# Altium PCB Enigma Rev B.PcbDoc (part 6 of 8)
Units mm, origin at the board's own origin, x right, y up, seen from the top; angles counter-clockwise.
Board outline 239.08 x 138 mm, 6 copper layers (Component Side, Ground Plane (GND), Inner Layer 1, Inner Layer 2, Power Plane (VCC), Solder Side), stack 1.297 mm thick; 556 components, 648 nets, 2393 pads, 1101 vias.
Unrouted connection lines stored in the file: 43.
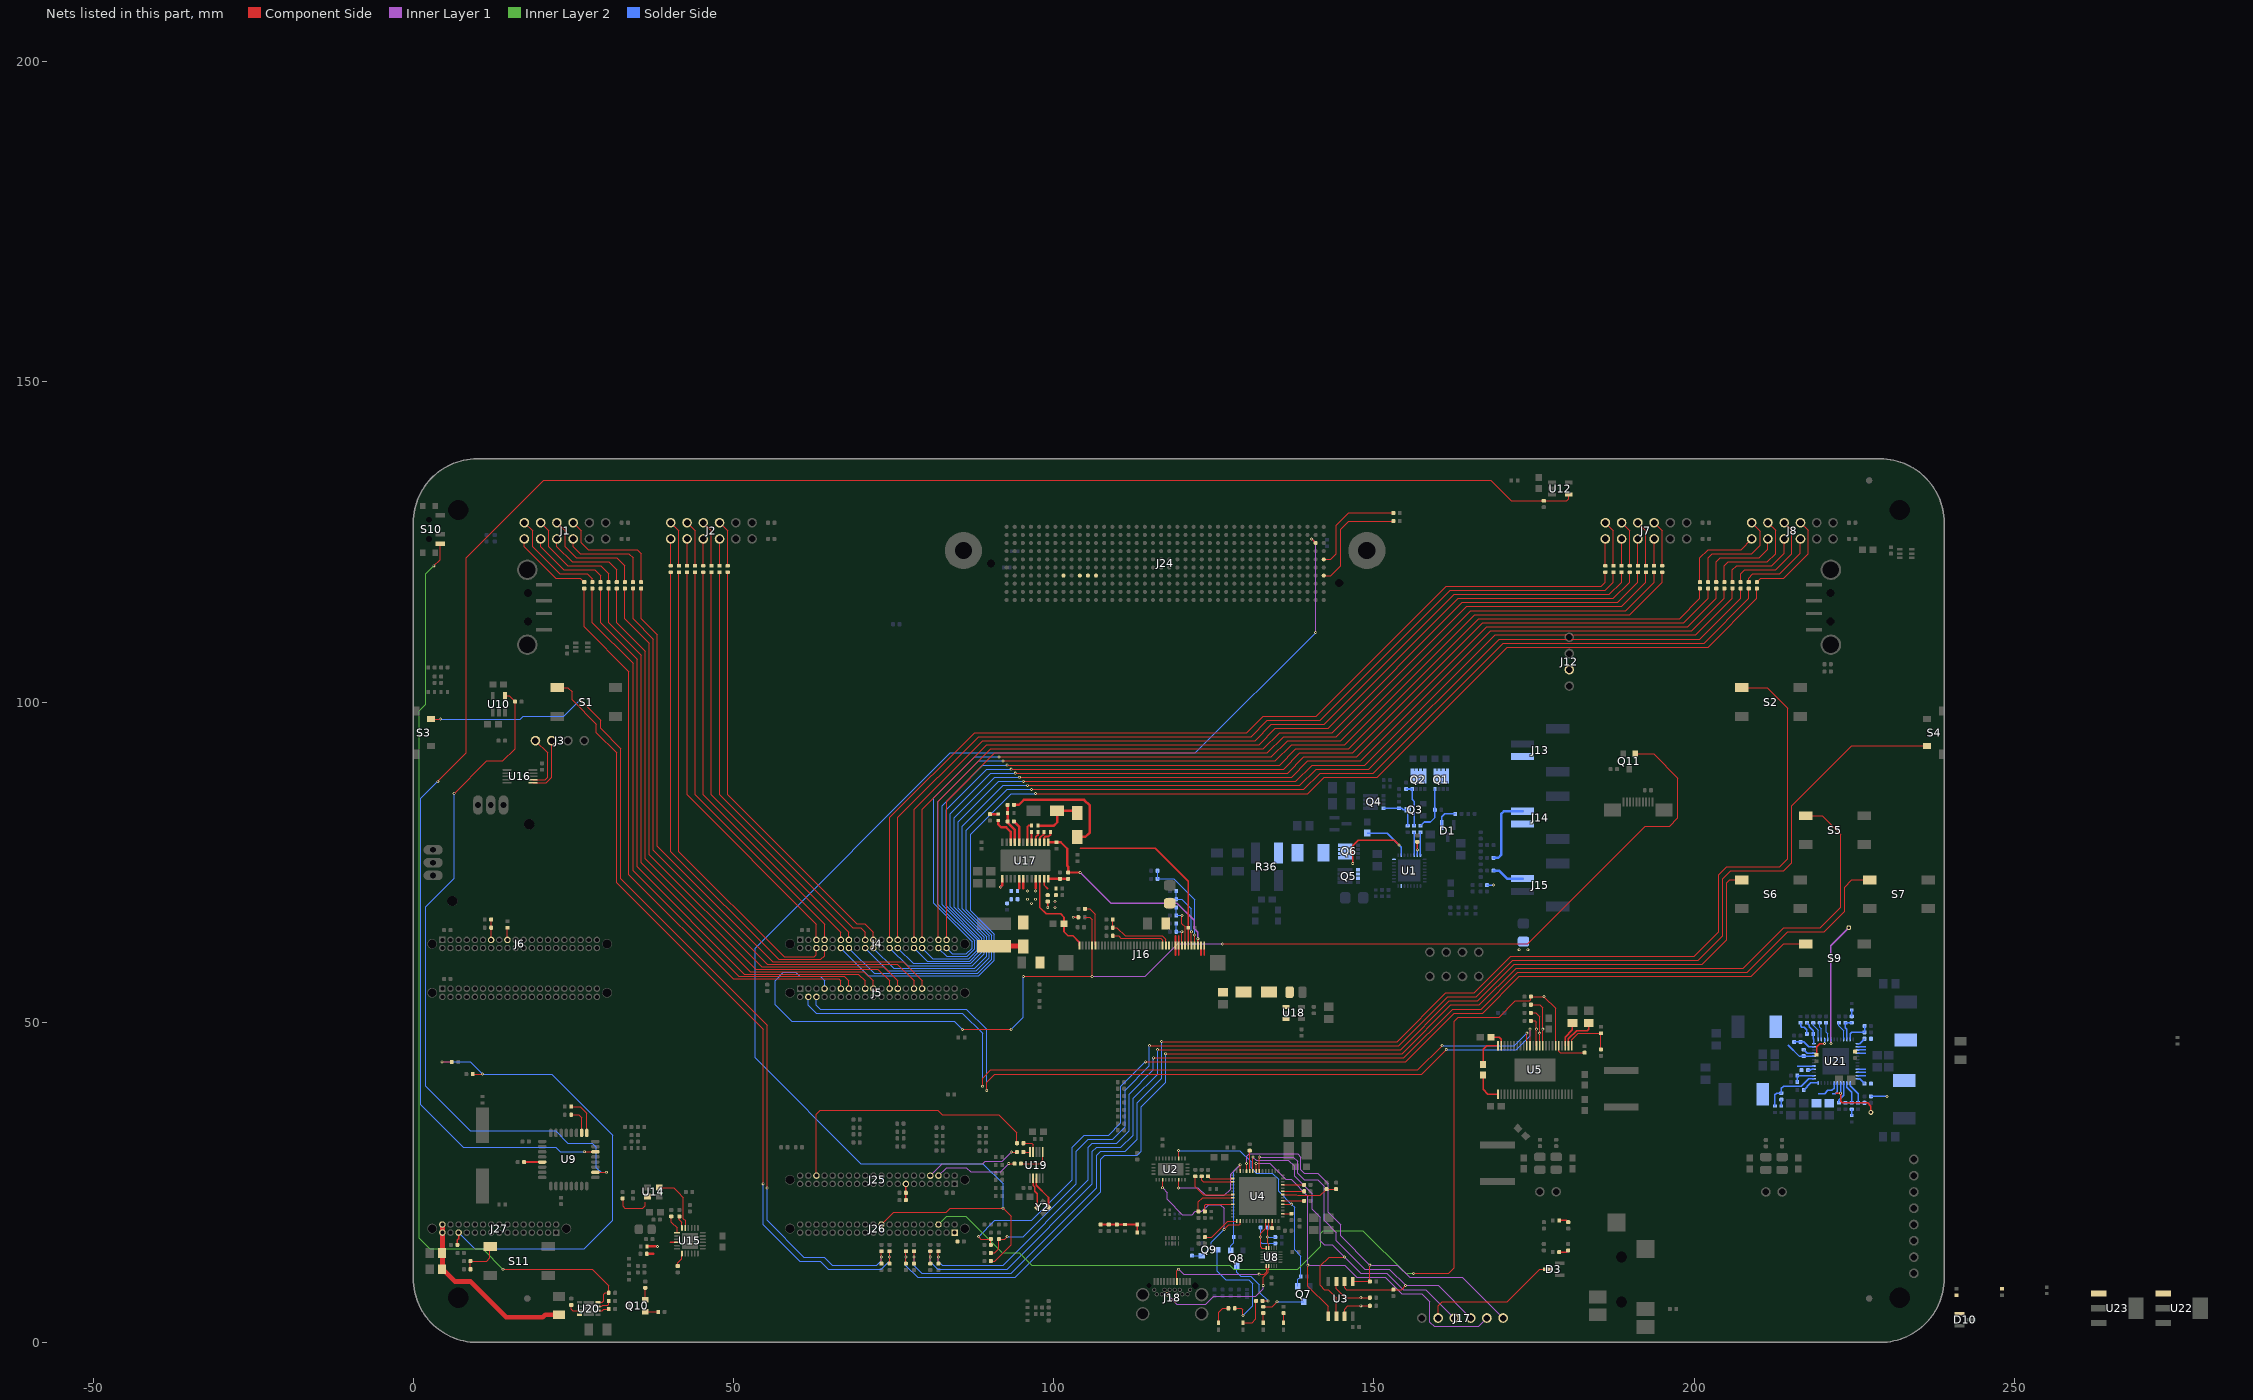
[diagram p10: the nets of this part, all layers, seen from the top]

## Via types
v1: diameter 0.457, hole 0.203, Component Side to Solder Side, tented top, 1031 vias
v2: diameter 0.5, hole 0.2, Component Side to Solder Side, 55 vias
v3: diameter 0.457, hole 0.203, Component Side to Solder Side, 9 vias
v4: diameter 0.5, hole 0.2, Component Side to Solder Side, tented both sides, 6 vias

## Nets (pads, with @x,y where several pads share a name; then routed paths per layer and width w, separated by ;. In a path a pad name is that pad's centre, name@x,y a point inside that pad or via, vN(x,y) a via of type N, cw(c..) or ccw(c..) an arc to the next point about the centre after c; other vN are vias at no path point) (continued)
NetC95_2: C95.2 U5.2 | length 5.8
  Component Side w0.203: U5.2@180.383,46.32 180.383,47.421 181.638,48.676 183.289,48.676 183.543,48.93 C95.2@183.543,49.885
NetC96_1: C96.1 U5.3 | length 4
  Component Side w0.203: U5.3@179.883,46.32 179.883,47.683 181.003,48.803 C96.1@181.003,49.885
NetC97_1: C97.1 U5.24 | length 4.9
  Component Side w0.203: C97.1@167.033,43.43 167.033,45.755 167.598,46.32 U5.24@169.383,46.32
NetC97_2: C97.2 U5.25 | length 4.9
  Component Side w0.203: C97.2@167.033,41.73 167.033,39.532 167.795,38.77 U5.25@169.383,38.77
NetC98_1: C98.1 R108.1 | length 1.5
  Component Side w0.203: R108.1@178.927,14.103 180.062,14.103 C98.1@180.332,14.373
NetC99_2: C99.2 U5.23 | length 2.7
  Component Side w0.203: C99.2@168.303,47.66 169.573,47.66 169.883,47.35 U5.23@169.883,46.32
NetC102_1: C102.1 R111.1 | length 1.5
  Component Side w0.203: R111.1@178.935,19.05 180.07,19.05 C102.1@180.34,18.78
NetC115_2: C115.2 C116.2 U15.4 | length 3.5
  Component Side w0.254: 40.144,15.625 U15.4@41.18,15.625
  Component Side w0.381: C115.2@36.441,13.843 37.465,13.843 ; C116.2@36.48,14.986 v1@37.877,14.986
  other v1: 38.1,14.986
NetC117_1: C117.1 R150.2 R152.1 U17.1 | length 1.4
  Component Side w0.381: v1(91.694,71.12) 91.985,71.411 U17.1@91.985,72.405
NetC123_1: C123.1 U17.16 | length 1.8
  Component Side w0.305: U17.16@97.185,78.105 97.185,78.95 97.535,79.3 C123.1@97.535,79.73
NetC123_2: C123.2 U17.17 | length 1.6
  Component Side w0.305: U17.17@96.535,78.105 C123.2@96.535,79.73
NetC125_1: C125.1 U17.14 | length 2.3
  Component Side w0.305: U17.14@98.485,78.105 98.485,78.82 98.68,79.015 99.2,79.015 99.485,79.3 C125.1@99.485,79.73
NetC125_2: C125.2 U17.15 | length 1.9
  Component Side w0.305: U17.15@97.835,78.105 97.835,78.82 98.485,79.47 C125.2@98.485,79.73
NetC126_1: C126.1 R159.1 | length 1.3
  Component Side w0.381: R159.1@90.035,82.505 C126.1@91.335,82.505
NetC126_2: C126.2 U17.22 | length 4.7
  Component Side w0.381: C126.2@91.335,81.505 91.335,80.9 91.79,80.445 92.57,80.445 93.285,79.73 U17.22@93.285,78.105
NetC127_1: C127.1 U17.18 | length 8.4
  Component Side w0.381: C127.1@97.535,80.705 100.009,80.705 100.533,81.229 100.533,83.058 103.282,83.058 103.685,82.655
NetC127_2: C127.2 D6.1 D7.2 | length 3.1
  Component Side w0.305: 95.885,78.105 95.885,80.51 96.08,80.705 C127.2@96.535,80.705
NetC129_2: C129.2 R164.2 U17.20 | length 3.6
  Component Side w0.381: R164.2@93.785,81.355 94.585,80.555 U17.20@94.585,78.105
NetC134_2: C134.2 R161.2 R169.1 U17.11 | length 1.8
  Component Side w0.254: U17.11@98.485,72.405 98.485,71.441 99.06,70.866
NetC145_1: C145.1 L9.2 U21.2 U21.3 U21.4 | length 3.8
  Solder Side w0.203: U21.4@225.52,45.169 226.783,45.169 ; U21.3@225.52,45.669 226.783,45.669 ; U21.2@225.52,46.169 226.783,46.169
NetC145_2: C145.2 U21.1 | length 1.4
  Solder Side w0.203: U21.1@225.52,46.669 225.87,46.669 C145.2@226.62,47.419
NetC148_2: C148.2 R186.2 | length 1
  Solder Side w0.203: R186.2@224.62,50.919 C148.2@224.62,51.919
NetC149_2: C149.2 R186.1 U21.46 | length 3.7
  Solder Side w0.203: U21.46@223.87,47.319 223.87,48.919 223.62,49.169 C149.2@223.62,49.919 R186.1@224.62,49.919
NetC150_2: C150.2 U21.45 | length 2.9
  Solder Side w0.127: C150.2@222.62,49.919 222.62,49.419 223.37,48.669 U21.45@223.37,47.319
NetC151_1: C151.1 L10.2 U21.9 U21.10 U21.11 | length 3.8
  Solder Side w0.203: U21.11@225.52,41.669 226.783,41.669 ; U21.10@225.52,42.169 226.783,42.169 ; U21.9@225.52,42.669 226.783,42.669
NetC151_2: C151.2 U21.12 | length 1.4
  Solder Side w0.203: U21.12@225.52,41.169 225.87,41.169 C151.2@226.62,40.419
NetC154_2: C154.2 R190.1 | length 1
  Solder Side w0.203: C154.2@224.62,35.419 R190.1@224.62,36.419
NetC155_2: C155.2 R190.2 U21.15 | length 4.4
  Solder Side w0.203: C155.2@223.62,37.419 R190.2@224.62,37.419 224.62,39.069 223.87,39.819 U21.15@223.87,40.519
NetC156_2: C156.2 U21.16 | length 3.4
  Solder Side w0.203: C156.2@222.62,37.419 222.62,37.843 223.37,38.593 U21.16@223.37,40.519
NetC157_1: C157.1 L11.2 U21.29 | length 2.6
  Solder Side w0.203: 216.12,43.169 U21.29@218.72,43.169
NetC157_2: C157.2 U21.28 | length 1
  Solder Side w0.203: C157.2@217.77,42.519 218.17,42.519 218.32,42.669 U21.28@218.72,42.669
NetC160_2: C160.2 R194.1 | length 1
  Solder Side w0.203: C160.2@213.62,36.919 R194.1@213.62,37.919
NetC161_2: C161.2 R194.2 U21.25 | length 9.3
  Solder Side w0.203: C161.2@212.62,36.919 212.62,38.669 212.87,38.919 R194.2@213.62,38.919 213.62,39.669 213.97,40.019 216.72,40.019 217.87,41.169 U21.25@218.72,41.169
NetC162_2: C162.2 U21.24 | length 2.7
  Solder Side w0.203: C162.2@217.12,39.419 218.22,40.519 U21.24@219.37,40.519
NetC163_1: C163.1 L12.2 U21.32 | length 4.7
  Solder Side w0.254: 214.707,46.432 216.47,44.669 U21.32@218.72,44.669
NetC163_2: C163.2 U21.33 | length 1.8
  Solder Side w0.203: C163.2@217.12,45.719 217.67,45.169 U21.33@218.72,45.169
NetC166_2: C166.2 R198.1 | length 2.4
  Solder Side w0.203: C166.2@216.62,49.919 216.62,49.419 216.82,49.219 217.22,49.219 217.62,48.819 R198.1@217.62,48.169
NetC167_2: C167.2 R198.2 U21.36 | length 3.7
  Solder Side w0.203: C167.2@217.62,49.919 217.97,49.569 217.97,49.319 218.62,48.669 R198.2@218.62,48.169 218.62,47.419 218.72,47.319 U21.36@218.72,46.669
NetC168_2: C168.2 U21.37 | length 2.9
  Solder Side w0.127: C168.2@218.62,49.919 218.62,49.519 219.37,48.769 U21.37@219.37,47.319
NetC172_2: C172.2 U21.18 | length 2.3
  Solder Side w0.203: 221.57,38.819 222.07,38.819 222.37,39.119 U21.18@222.37,40.519
NetC173_2: C173.2 U21.19 | length 3.6
  Solder Side w0.203: 219.42,38.869 220.37,38.869 220.87,39.369 221.52,39.369 221.87,39.719 U21.19@221.87,40.519
NetC195_2: C195.2 C196.2 R223.2 R224.2 R225.1 R226.1 | length 7
  Component Side w0.254: R223.2@107.315,18.415 R225.1@108.585,18.415 C196.2@109.855,18.415 C195.2@111.125,18.415 R224.2@113.03,18.415 R226.1@113.03,17.145
NetD1_1: D1.1 R20.2 | length 3.6
  Solder Side w0.254: D1.1@160.594,80.808 160.594,82.108 161.036,82.55 R20.2@162.695,82.55
NetD3_3: D3.3 J17.2 | length 21.4
  Component Side w0.127: J17.2@160.02,3.81 160.02,5.715 160.655,6.35 170.815,6.35 175.895,11.43 D3.3@177.165,11.43
NetD5_2: D5.2 L7.2 U17.5 U17.6 | length 4.9
  Component Side w0.762: L7.2@90.17,61.905 D5.2@95.042,61.905
NetD8_1: D8.1 L8.2 U18.1
NetD10_1: D10.1 J12.2
NetJ1_1: J1.1 R118.2 | length 12.8
  Component Side w0.127: J1.1@17.32,125.476 17.32,124.285 22.225,119.38 26.035,119.38 R118.2@26.67,118.745
NetJ1_2: J1.2 R120.2 | length 13.4
  Component Side w0.127: J1.2@19.86,125.476 19.86,124.285 23.495,120.65 28.321,120.65 29.21,119.761 R120.2@29.21,118.745
NetJ1_3: J1.3 R122.2 | length 14
  Component Side w0.127: J1.3@22.4,125.476 22.4,124.285 24.765,121.92 30.48,121.92 31.75,120.65 R122.2@31.75,118.745
NetJ1_4: J1.4 R124.2 | length 15.1
  Component Side w0.127: J1.4@24.94,125.476 24.94,124.285 26.035,123.19 33.655,123.19 34.29,122.555 R124.2@34.29,118.745
NetJ1_7: J1.7 R119.1 | length 16.2
  Component Side w0.127: J1.7@17.32,128.016 18.59,126.746 18.59,124.285 22.86,120.015 27.178,120.015 27.94,119.253 R119.1@27.94,118.745
NetJ1_8: J1.8 R121.1 | length 16.6
  Component Side w0.127: J1.8@19.86,128.016 21.13,126.746 21.13,124.285 24.13,121.285 29.21,121.285 30.48,120.015 R121.1@30.48,118.745
NetJ1_9: J1.9 R123.1 | length 17.4
  Component Side w0.127: J1.9@22.4,128.016 23.67,126.746 23.67,124.285 25.4,122.555 31.75,122.555 33.02,121.285 R123.1@33.02,118.745
NetJ1_10: J1.10 R125.1 | length 18.1
  Component Side w0.127: J1.10@24.94,128.016 26.21,126.746 26.21,124.92 27.305,123.825 34.925,123.825 35.56,123.19 R125.1@35.56,118.745
NetJ2_1: J2.1 R134.2 | length 4.2
  Component Side w0.127: R134.2@40.18,121.285 J2.1@40.18,125.476
NetJ2_2: J2.2 R136.2 | length 4.2
  Component Side w0.127: R136.2@42.72,121.285 J2.2@42.72,125.476
NetJ2_3: J2.3 R138.2 | length 4.2
  Component Side w0.127: R138.2@45.26,121.285 J2.3@45.26,125.476
NetJ2_4: J2.4 R140.2 | length 4.2
  Component Side w0.127: R140.2@47.8,121.285 J2.4@47.8,125.476
NetJ2_7: J2.7 R135.1 | length 7.3
  Component Side w0.127: J2.7@40.18,128.016 41.45,126.746 R135.1@41.45,121.285
NetJ2_8: J2.8 R137.1 | length 7.3
  Component Side w0.127: J2.8@42.72,128.016 43.99,126.746 R137.1@43.99,121.285
NetJ2_9: J2.9 R139.1 | length 7.3
  Component Side w0.127: J2.9@45.26,128.016 46.53,126.746 R139.1@46.53,121.285
NetJ2_10: J2.10 R141.1 | length 7.3
  Component Side w0.127: J2.10@47.8,128.016 49.07,126.746 R141.1@49.07,121.285
NetJ3_3: J3.3 U16.6 | length 9
  Component Side w0.127: U16.6@18.655,87.4 20.725,87.4 21.59,88.265 J3.3@21.59,93.98
NetJ3_4: J3.4 U16.7 | length 9
  Component Side w0.127: U16.7@18.655,87.9 20.59,87.9 20.955,88.265 20.955,92.075 J3.4@19.05,93.98
NetJ6_13: J6.13 R212.2 R213.2 | length 3.2
  Component Side w0.127: J6.13@12.131,62.865 R213.2@12.131,64.77 R212.2@12.131,66.04
NetJ6_17: J6.17 R214.1 | length 1.9
  Component Side w0.127: J6.17@14.671,62.865 R214.1@14.671,64.77
NetJ7_1: J7.1 R126.2 | length 4.2
  Component Side w0.127: R126.2@186.137,121.285 J7.1@186.137,125.476
NetJ7_2: J7.2 R128.2 | length 4.2
  Component Side w0.127: R128.2@188.677,121.285 J7.2@188.677,125.476
NetJ7_3: J7.3 R130.2 | length 4.2
  Component Side w0.127: R130.2@191.217,121.285 J7.3@191.217,125.476
NetJ7_4: J7.4 R132.2 | length 4.2
  Component Side w0.127: R132.2@193.757,121.285 J7.4@193.757,125.476
NetJ7_7: J7.7 R127.1 | length 7.3
  Component Side w0.127: J7.7@186.137,128.016 187.407,126.746 R127.1@187.407,121.285
NetJ7_8: J7.8 R129.1 | length 7.3
  Component Side w0.127: J7.8@188.677,128.016 189.947,126.746 R129.1@189.947,121.285
NetJ7_9: J7.9 R131.1 | length 7.3
  Component Side w0.127: J7.9@191.217,128.016 192.487,126.746 R131.1@192.487,121.285
NetJ7_10: J7.10 R133.1 | length 7.3
  Component Side w0.127: J7.10@193.757,128.016 195.027,126.746 R133.1@195.027,121.285
NetJ8_1: J8.1 R142.2 | length 13.1
  Component Side w0.127: R142.2@200.917,118.745 200.917,122.555 202.187,123.825 207.346,123.825 J8.1@208.997,125.476
NetJ8_2: J8.2 R144.2 | length 13.6
  Component Side w0.127: R144.2@203.457,118.745 203.457,121.92 204.092,122.555 210.185,122.555 211.537,123.907 J8.2@211.537,125.476
NetJ8_3: J8.3 R146.2 | length 13.3
  Component Side w0.127: R146.2@205.997,118.745 205.997,120.65 206.632,121.285 212.09,121.285 214.077,123.272 J8.3@214.077,125.476
NetJ8_4: J8.4 R148.2 | length 12.5
  Component Side w0.127: R148.2@208.537,118.745 208.537,119.38 209.172,120.015 213.36,120.015 216.617,123.272 J8.4@216.617,125.476
NetJ8_7: J8.7 R143.1 | length 16.8
  Component Side w0.127: R143.1@202.187,118.745 202.187,122.555 202.822,123.19 209.042,123.19 210.312,124.46 210.312,126.701 J8.7@208.997,128.016
NetJ8_8: J8.8 R145.1 | length 16.6
  Component Side w0.127: R145.1@204.727,118.745 204.727,121.285 205.362,121.92 211.455,121.92 212.725,123.19 212.725,126.828 J8.8@211.537,128.016
NetJ8_9: J8.9 R147.1 | length 15.9
  Component Side w0.127: R147.1@207.267,118.745 207.267,120.015 207.902,120.65 212.725,120.65 215.265,123.19 215.265,126.828 J8.9@214.077,128.016
NetJ8_10: J8.10 R149.1 | length 15.2
  Component Side w0.127: R149.1@209.807,118.745 210.442,119.38 213.995,119.38 217.805,123.19 217.805,126.828 J8.10@216.617,128.016
NetJ13_2: J13.2 J14.1 R29.1 | length 11.3
  Solder Side w0.381: R29.1@168.676,75.679 169.405,75.679 169.855,76.129 169.855,82.504 170.303,82.952 J14.1@173.209,82.952
NetJ14_2: J14.2 J15.1 R31.1 | length 5.1
  Solder Side w0.381: R31.1@168.676,73.679 169.526,73.679 170.776,72.429 J15.1@173.209,72.429
NetJ16_27: J16.27 R157.2 | length 8.9
  Component Side w0.127: R157.2@109.22,63.5 110.109,63.5 110.49,63.119 116.713,63.119 117,62.832 J16.27@117,61.99
NetJ16_28: J16.28 R158.1 R174.2 | length 11.3
  Component Side w0.127: R158.1@109.22,66.04 R174.2@109.22,64.77 109.855,64.77 111.125,63.5 116.967,63.5 117.5,62.967 J16.28@117.5,61.99
NetJ16_36: J16.36 R165.2 R171.2 | length 10
  Component Side w0.127: J16.36@121.5,61.99 v1(121.5,64.135)
  Solder Side w0.127: R171.2@119.126,70.485 R165.2@119.126,69.215 120.015,69.215 121.5,67.73 v1(121.5,64.135)
NetJ16_37: J16.37 R166.2 R170.2 | length 15.6
  Component Side w0.127: J16.37@122,61.99 v1(122,63.627)
  Solder Side w0.127: R170.2@116.205,73.66 R166.2@116.205,72.39 118.745,72.39 122,69.135 v1(122,63.627)
NetJ25_13: J25.13 R217.1 R218.2 | length 2.5
  Component Side w0.254: R217.1@76.901,22.225 R218.2@76.901,23.368 J25.13@76.901,24.765
NetL1_1: L1.1 R36.2
NetLED1_2: LED1.2 R56.1 | length 1.5
  Component Side w0.127: LED1.2@132.715,3.09 R56.1@132.715,4.572
NetLED2_2: LED2.2 R57.1 | length 5.1
  Component Side w0.127: LED2.2@129.54,3.09 130.979,3.09 131.572,3.683 R57.1@131.572,6.477
NetLED3_2: LED3.2 R58.1 | length 3.4
  Component Side w0.127: LED3.2@125.73,3.09 125.73,4.699 126.365,5.334 R58.1@127.262,5.334
NetLED4_2: LED4.2 R74.1 | length 1.5
  Component Side w0.127: LED4.2@135.89,3.09 R74.1@135.89,4.58
NetQ1_4: Q1.4 R18.2 R22.1 | length 7.2
  Solder Side w0.254: R22.1@157.271,80.679 157.872,81.28 158.822,81.28 159.521,81.979 R18.2@159.521,83.179 Q1.4@159.521,86.429
NetQ1_5: Q1.5 Q1.6 Q1.7 Q1.8 Q1.TAB Q2.5 Q2.6 Q2.7 Q2.8 Q2.TAB
NetQ2_4: Q2.4 R19.2 R23.1 | length 6.8
  Solder Side w0.254: R19.2@155.021,86.429 Q2.4@155.971,86.429 155.971,84.829 156.271,84.529 R23.1@156.271,80.679
NetQ3_3: Q3.3 Q4.4 R26.2 R30.2 | length 6.4
  Solder Side w0.254: Q4.4@151.511,83.429 154.321,83.429 154.571,83.179 Q3.3@155.271,83.179 R30.2@155.271,80.679
NetQ7_3: Q7.3 R56.2 | length 6.7
  Component Side w0.127: R56.2@132.715,5.58 134.104,5.58 v1(134.874,6.35)
  Solder Side w0.127: v1(134.874,6.35) Q7.3@139.065,6.35
NetQ8_3: Q8.3 R57.2 | length 9.3
  Component Side w0.127: R57.2@132.588,6.477 v1(133.477,6.477)
  Solder Side w0.127: Q8.3@128.6,11.95 128.6,10.95 129.2,10.35 130.747,10.35 132.08,9.017 132.08,7.874 v1(133.477,6.477)
NetQ9_3: Q9.3 R58.2 | length 17.6
  Component Side w0.127: R58.2@128.262,5.334 129.286,5.334 129.54,5.08 v1(129.54,4.191)
  Solder Side w0.127: Q9.3@125.5,14.5 125.5,11.152 126.873,9.779 130.429,9.779 131.064,9.144 131.064,5.715 v1(129.54,4.191)
NetQ10_1: Q10.1 R76.1 | length 2
  Component Side w0.127: Q10.1@36.182,4.765 R76.1@38.227,4.765
NetQ10_2: Q10.2 R78.1 | length 1.8
  Component Side w0.127: Q10.2@36.195,6.678 R78.1@36.195,8.525
NetR2_2: R2.2 R4.2 S1.1 | length 123.8
  Component Side w0.127: S1.1@22.45,102.25 24.115,102.25 24.765,101.6 24.765,100.33 28.575,96.52 28.575,95.25 31.75,92.075 31.75,71.755 54.61,48.895 v1(54.61,24.765) ; R2.2@74.361,12.303 v1(74.361,13.335) R4.2@74.361,14.24
  Solder Side w0.127: v1(54.61,24.765) 54.61,18.415 60.325,12.7 63.5,12.7 64.77,11.43 73.025,11.43 74.361,12.766 v1(74.361,13.335)
NetR3_2: R3.2 R5.2 S2.1 | length 213.9
  Component Side w0.127: R3.2@78.171,12.303 v1(78.171,13.335) R5.2@78.171,14.24 ; v1(116.84,46.99) 153.625,46.99 161.245,54.61 165.69,54.61 171.405,60.325 200.025,60.325 203.835,64.135 203.835,73.025 205.105,74.295 213.36,74.295 214.63,75.565 214.63,99.06 211.44,102.25 S2.1@207.45,102.25
  Solder Side w0.127: v1(78.171,13.335) 78.171,11.999 79.375,10.795 93.345,10.795 106.68,24.13 106.68,29.21 107.315,29.845 111.125,29.845 113.03,31.75 113.03,37.465 116.84,41.275 v1(116.84,46.99)
NetR6_2: R6.2 R8.2 S3.1 | length 141.4
  Component Side w0.127: S3.1@2.765,97.35 v1(4.2,97.35) ; v1(26.035,100.33) 29.21,97.155 29.21,95.885 32.385,92.71 32.385,72.39 55.245,49.53 v1(55.245,24.13) ; R6.2@73.091,12.303 v1(73.091,13.335) R8.2@73.091,14.24
  Solder Side w0.127: v1(4.2,97.35) 16.705,97.35 17.145,97.79 23.495,97.79 v1(26.035,100.33) ; v1(55.245,24.13) 55.245,19.05 60.96,13.335 64.135,13.335 65.405,12.065 72.39,12.065 73.091,12.766 v1(73.091,13.335)
NetR7_2: R7.2 R9.2 S4.1 | length 198.5
  Component Side w0.127: R7.2@90.17,13.97 90.805,13.97 91.44,14.605 R9.2@91.44,16.145 92.345,16.145 v1(92.71,16.51) ; v1(114.935,46.355) 153.888,46.355 161.508,53.975 165.953,53.975 171.668,59.69 200.66,59.69 204.47,63.5 204.47,72.39 205.74,73.66 213.995,73.66 215.265,74.93 215.265,83.82 224.595,93.15 S4.1@236.376,93.15
  Solder Side w0.127: v1(92.71,16.51) 95.25,16.51 103.505,24.765 103.505,29.845 105.41,31.75 109.22,31.75 111.125,33.655 111.125,39.37 114.935,43.18 v1(114.935,46.355)
NetR10_2: R10.2 R11.2 S5.1 | length 201.7
  Component Side w0.127: R10.2@76.901,12.303 v1(76.901,13.335) R11.2@76.901,14.24 ; v1(117.475,45.085) 154.414,45.085 162.034,52.705 166.479,52.705 172.194,58.42 207.645,58.42 213.995,64.77 219.71,64.77 222.885,67.945 222.885,79.375 220.01,82.25 S5.1@217.45,82.25
  Solder Side w0.127: v1(76.901,13.335) 76.901,11.999 78.74,10.16 93.98,10.16 107.315,23.495 107.315,28.575 107.95,29.21 113.03,29.21 113.665,29.845 113.665,36.83 117.475,40.64 v1(117.475,45.085)
NetR12_2: R12.2 R14.2 S6.1 | length 168.8
  Component Side w0.127: R12.2@80.711,12.303 v1(80.711,13.335) R14.2@80.711,14.24 ; v1(116.205,45.72) 154.151,45.72 161.771,53.34 166.216,53.34 171.931,59.055 201.295,59.055 205.105,62.865 205.105,71.755 205.6,72.25 S6.1@207.45,72.25
  Solder Side w0.127: v1(80.711,13.335) 80.711,12.634 81.915,11.43 92.71,11.43 106.045,24.765 106.045,29.845 106.68,30.48 110.49,30.48 112.395,32.385 112.395,38.1 116.205,41.91 v1(116.205,45.72)
NetR13_2: R13.2 R15.2 S7.1 | length 182.9
  Component Side w0.127: R13.2@81.981,12.303 v1(81.981,13.335) R15.2@81.981,14.24 ; v1(115.57,44.45) 154.677,44.45 162.297,52.07 166.742,52.07 172.457,57.785 208.28,57.785 214.63,64.135 220.345,64.135 223.52,67.31 223.52,71.12 224.65,72.25 S7.1@227.45,72.25
  Solder Side w0.127: v1(81.981,13.335) 81.981,12.634 82.55,12.065 92.075,12.065 105.41,25.4 105.41,30.48 106.045,31.115 109.855,31.115 111.76,33.02 111.76,38.735 115.57,42.545 v1(115.57,44.45)
NetR16_2: R16.2 R17.2 S9.1 | length 157.4
  Component Side w0.127: v1(88.265,16.51) 88.63,16.145 R17.2@90.17,16.145 R16.2@90.17,15.24 ; v1(114.3,43.815) 154.94,43.815 162.56,51.435 167.005,51.435 172.72,57.15 208.915,57.15 214.015,62.25 S9.1@217.45,62.25
  Solder Side w0.127: v1(88.265,16.51) 90.805,19.05 96.52,19.05 102.87,25.4 102.87,30.48 104.775,32.385 108.585,32.385 110.49,34.29 110.49,40.005 v1(114.3,43.815)
NetR22_2: R22.2 U1.32 | length 3.6
  Solder Side w0.203: U1.32@157.271,76.079 R22.2@157.271,79.679
NetR23_2: R23.2 U1.30 | length 3.6
  Solder Side w0.203: U1.30@156.271,76.079 R23.2@156.271,79.679
NetR24_2: R24.2 U1.31 | length 2.1
  Component Side w0.203: v1(156.771,76.929) R24.2@156.771,78.179
  Solder Side w0.203: U1.31@156.771,76.079 v1(156.771,76.929)
NetR45_2: R45.2 U3.3 | length 6.9
  Component Side w0.127: U3.3@144.145,9.525 144.145,8.382 145.542,6.985 v1(147.955,6.985) R45.2@149.36,6.985
NetR46_2: R46.2 R68.2 S11.1 | length 6.2
  Component Side w0.127: R68.2@8.89,11.43 R46.2@8.89,12.7 11.43,12.7 11.938,13.208 S11.1@11.938,14.859
NetR47_2: R47.2 U3.7 | length 5.3
  Component Side w0.127: U3.7@145.415,4.075 145.415,5.207 145.923,5.715 v1(147.955,5.715) R47.2@149.36,5.715
NetR48_2: R48.2 U4.52 | length 5.4
  Component Side w0.127: R48.2@123.6,20.45 123.6,21.45 123.75,21.6 U4.52@127.95,21.6
NetR49_2: R49.2 U4.25 | length 3.3
  Component Side w0.127: U4.25@135.75,24.6 R49.2@139.1,24.6
NetR50_1: R50.1 U4.12 | length 1.1
  Component Side w0.127: R50.1@134.1,17.85 U4.12@134.1,18.95
NetR51_2: R51.2 U4.23 | length 3.3
  Component Side w0.127: U4.23@135.75,23.6 R51.2@139.1,23.6
NetR52_2: R52.2 U4.20 | length 3.3
  Component Side w0.127: U4.20@135.75,22.1 R52.2@139.1,22.1
NetR53_2: R53.2 U4.38 | length 3.2
  Component Side w0.127: U4.38@130.6,26.75 R53.2@130.6,29.95
NetR54_1: R54.1 U4.16 | length 1.3
  Component Side w0.127: U4.16@135.75,20.1 R54.1@137.1,20.1
NetR55_2: R55.2 U4.1 | length 6
  Component Side w0.127: R55.2@123.6,16.45 124.7,16.45 127.2,18.95 U4.1@128.6,18.95
NetR63_2: R63.2 U4.45 | length 5.6
  Component Side w0.127: R63.2@123.1,25.95 123.1,25.35 123.35,25.1 U4.45@127.95,25.1
NetR64_2: R64.2 U4.44 | length 4
  Component Side w0.127: R64.2@124.1,25.95 124.45,25.6 U4.44@127.95,25.6
NetR69_2: R69.2 U5.12 | length 4.6
  Component Side w0.127: R69.2@174.518,50.2 175.161,50.2 175.383,49.978 v1(175.383,48.93) U5.12@175.383,46.32
NetR87_2: R87.2 U9.17 | length 5.9
  Component Side w0.127: R87.2@24.638,36.83 26.035,36.83 27.057,35.808 U9.17@27.057,32.725
NetR88_2: R88.2 U9.18 | length 4.2
  Component Side w0.127: R88.2@24.638,35.56 25.781,35.56 26.257,35.084 U9.18@26.257,32.725
NetR95_2: R95.2 U9.29 | length 2.8
  Component Side w0.254: R95.2@17.272,28.175 U9.29@20.107,28.175
NetR101_2: R101.2 U5.11 | length 6.2
  Component Side w0.127: R101.2@174.518,51.47 175.288,51.47 175.883,50.875 v1(175.883,48.295) U5.11@175.883,46.32
NetR102_2: R102.2 U5.10 | length 8
  Component Side w0.127: R102.2@174.518,52.74 175.923,52.74 176.383,52.28 v1(176.383,48.93) U5.10@176.383,46.32
NetR107_2: R107.2 R109.1 U5.1 | length 8.5
  Component Side w0.127: U5.1@180.883,46.32 180.883,47.286 181.892,48.295 R109.1@185.448,48.295 R107.2@185.448,45.755
NetR112_2: R112.2 U15.1 | length 2.9
  Component Side w0.127: R112.2@40.259,19.693 40.259,18.796 41.18,17.875 U15.1@41.18,17.125
NetR113_1: R113.1 U15.7 | length 2.2
  Component Side w0.127: R113.1@41.275,11.938 41.275,12.446 41.93,13.101 U15.7@41.93,13.875
NetR114_1: R114.1 U15.24 | length 2
  Component Side w0.127: R114.1@41.529,19.685 41.529,19.177 41.93,18.776 U15.24@41.93,17.875
NetR115_1: R115.1 U14.1 | length 5.6
  Component Side w0.127: R115.1@32.647,22.487 32.647,21.328 33.02,20.955 35.814,20.955 36.235,21.376 36.235,21.93
NetR155_2: R155.2 R156.1 U17.12 | length 3.1
  Component Side w0.381: U17.12@99.15,72.39 R156.1@100.965,72.39 R155.2@102.235,72.39
NetR160_2: R160.2 R164.1 U17.21 | length 6.3
  Component Side w0.381: R160.2@92.785,83.955 92.785,81.205 93.935,80.055 U17.21@93.935,78.105
NetR177_1: R177.1 U19.10 | length 1
  Component Side w0.127: R177.1@95.25,29.736 U19.10@96.282,29.736
NetR178_1: R178.1 U19.9 | length 2.8
  Component Side w0.127: R178.1@95.25,31.115 96.52,31.115 96.782,30.853 U19.9@96.782,29.736
NetR179_1: R179.1 U19.6 | length 4.9
  Component Side w0.127: R179.1@94.869,27.94 97.79,27.94 98.282,28.432 U19.6@98.282,29.736
NetR182_2: R182.2 U20.2 | length 1.7
  Component Side w0.127: U20.2@28.838,4.968 29.479,4.968 29.718,5.207 R182.2@30.488,5.207
NetR183_2: R183.2 U20.7 | length 2
  Component Side w0.127: R183.2@24.638,5.842 24.638,5.207 24.877,4.968 U20.7@25.908,4.968
NetR184_1: R184.1 U20.3 | length 2.3
  Component Side w0.127: U20.3@28.838,5.618 29.367,5.618 29.591,5.842 30.353,5.842 30.488,5.977 R184.1@30.488,6.477
NetR185_2: R185.2 R189.1 U22.1 | length 2.5
  Solder Side w0.203: R189.1@227.62,38.419 v1(230.12,38.419)
NetR187_2: R187.2 R188.1 U21.47 | length 4.2
  Solder Side w0.203: U21.47@224.37,47.319 224.37,48.169 224.62,48.419 R188.1@226.62,48.419 R187.2@226.62,49.419
NetR191_2: R191.2 R192.1 U21.14 | length 4.6
  Solder Side w0.203: U21.14@224.37,40.519 224.37,40.069 225.62,38.819 R192.1@225.62,37.419 R191.2@226.62,37.419
NetR193_2: R193.2 R197.1 U23.1
NetR195_2: R195.2 R196.1 U21.26 | length 3.6
  Solder Side w0.203: R196.1@216.12,40.669 R195.2@216.12,41.669 U21.26@218.72,41.669
NetR199_2: R199.2 R200.1 U21.35 | length 3.4
  Solder Side w0.203: R199.2@215.62,46.919 R200.1@216.62,46.919 217.12,46.919 217.87,46.169 U21.35@218.72,46.169
NetR202_1: R202.1 U21.40 | length 2.7
  Solder Side w0.127: R202.1@220.62,49.919 220.62,48.419 220.87,48.169 U21.40@220.87,47.319
NetR203_2: R203.2 U21.39 | length 3.4
  Component Side w0.203: R203.2@219.12,44.919 219.12,46.169 219.62,46.669 v1(220.37,46.669)
  Solder Side w0.203: v1(220.37,46.669) U21.39@220.37,47.319
NetR204_2: R204.2 U21.38 | length 2.7
  Solder Side w0.127: R204.2@219.62,49.919 219.62,49.219 219.87,48.969 U21.38@219.87,47.319
NetR221_1: R221.1 R222.1 U4.22 | length 8.8
  Component Side w0.127: U4.22@135.75,23.1 137.95,23.1 138.1,22.95 141.6,22.95 R222.1@142.6,23.95 R221.1@144.1,23.95
NetT1_1: T1.1 U21.17 | length 9.7
  Component Side w0.203: 222.12,38.919 v1(222.87,38.919) 222.87,37.669 223.12,37.419 227.12,37.419 227.62,36.919 T1.1@227.62,35.919
  Solder Side w0.203: v1(222.87,38.919) U21.17@222.87,40.519
NetT2_1: T2.1 U21.41 | length 19.9
  Inner Layer 1 w0.203: v1(221.37,46.669) 221.37,61.985 T2.1@224.155,64.77
  Solder Side w0.203: v1(221.37,46.669) U21.41@221.37,47.319
NetU14_3: U14.3 U15.23 | length 8.9
  Component Side w0.127: U14.3@38.735,24.13 40.64,24.13 41.275,23.495 42.164,22.606 42.164,19.304 42.418,19.05 U15.23@42.418,17.887
NetU19_2: U19.2 Y2.1 | length 4.5
  Component Side w0.254: U19.2@96.782,25.636 96.782,24.51 96.82,24.472 96.82,24.465 97.028,24.257 97.028,23.622 97.409,23.241 Y2.1@97.409,21.376
NetU19_3: U19.3 Y2.3 | length 5.1
  Component Side w0.254: U19.3@97.282,25.636 97.282,24.542 99.182,22.642 Y2.3@99.182,21.301
OC_0_N: R97.1 U9.10 U10.4 | length 106.7
  Component Side w0.127: v1(6.35,85.725) 11.43,90.805 13.97,90.805 15.875,92.71 R97.1@15.875,100.076 14.946,101.005 U10.4@14.285,101.005 ; U9.10@28.407,26.575 v1(30.125,26.575)
  Solder Side w0.127: v1(6.35,85.725) 6.35,72.517 1.905,68.072 1.905,40.005 8.89,33.02 22.225,33.02 24.13,31.115 27.94,31.115 28.575,30.48 28.575,27.305 29.305,26.575 v1(30.125,26.575)
OC_1_N: R99.1 U9.14 U12.4 | length 297.9
  Component Side w0.127: v1(3.81,87.63) 8.255,92.075 8.255,122.555 20.32,134.62 168.275,134.62 171.45,131.445 R99.1@176.53,131.445 180.086,131.445 180.42,131.779 U12.4@180.42,132.4 ; v1(26.689,29.775) U9.14@28.407,29.775
  Solder Side w0.127: v1(3.81,87.63) 1.143,84.963 1.143,37.084 7.747,30.48 22.225,30.48 22.93,29.775 v1(26.689,29.775)
PG_C2M: J24.D1 R117.2 | length 17.7
  Component Side w0.127: J24.D1@142.161,119.761 143.256,119.761 144.78,121.285 144.78,127 146.05,128.27 R117.2@153.035,128.27
PG_M2C: J24.F1 R116.2 | length 16.5
  Component Side w0.127: J24.F1@142.161,122.301 143.256,122.301 144.145,123.19 144.145,127.635 146.05,129.54 R116.2@153.035,129.54
PGND: R34.2 R35.2 U1.24 | length 1
  Solder Side w0.203: R35.2@167.656,71.429 v1(168.66,71.429)
  other v1: 172.68,61.33 174.03,61.33
PH: C25.1 L1.2 Q5.1 Q5.2 Q5.3 Q6.5 Q6.6 Q6.7 Q6.8 Q6.TAB U1.26 | length 18.2
  Component Side w0.203: v1(146.685,74.803) 146.685,77.597 147.517,78.429 153.171,78.429 v1(153.921,77.679)
  Solder Side w0.203: C25.1@148.971,79.541 152.059,79.541 154.271,77.329 U1.26@154.271,76.079
PMODA1: J5.11 R118.1 | length 88.8
  Component Side w0.127: R118.1@26.67,117.745 26.67,111.76 33.655,104.775 33.655,73.025 49.911,56.769 66.421,56.769 66.741,56.449 J5.11@66.741,55.245
PMODA2: J5.17 R120.1 | length 90
  Component Side w0.127: R120.1@29.21,117.745 29.21,112.395 34.925,106.68 34.925,74.295 51.689,57.531 69.469,57.531 70.551,56.449 J5.17@70.551,55.245
PMODA3: J5.23 R122.1 | length 91.3
  Component Side w0.127: R122.1@31.75,117.745 31.75,112.395 36.195,107.95 36.195,75.565 53.467,58.293 72.517,58.293 74.361,56.449 J5.23@74.361,55.245
PMODA4: J5.29 R124.1 | length 92.6
  Component Side w0.127: R124.1@34.29,117.745 34.29,113.03 37.465,109.855 37.465,76.835 55.245,59.055 75.565,59.055 78.171,56.449 J5.29@78.171,55.245
PMODA7: J5.13 R119.2 | length 88.8
  Component Side w0.127: R119.2@27.94,117.745 27.94,112.395 34.29,106.045 34.29,73.66 50.8,57.15 67.31,57.15 68.011,56.449 J5.13@68.011,55.245
PMODA8: J5.19 R121.2 | length 90
  Component Side w0.127: R121.2@30.48,117.745 30.48,112.395 35.56,107.315 35.56,74.93 52.578,57.912 70.358,57.912 71.821,56.449 J5.19@71.821,55.245
PMODA9: J5.25 R123.2 | length 91.3
  Component Side w0.127: R123.2@33.02,117.745 33.02,113.03 36.83,109.22 36.83,76.2 54.356,58.674 73.406,58.674 75.631,56.449 J5.25@75.631,55.245
PMODA10: J5.31 R125.2 | length 92.6
  Component Side w0.127: R125.2@35.56,117.745 35.56,113.03 38.1,110.49 38.1,77.47 56.134,59.436 76.454,59.436 79.441,56.449 J5.31@79.441,55.245
PMODB1: J4.23 R126.1 | length 147.7
  Component Side w0.127: J4.23@74.361,62.865 74.361,81.981 87.63,95.25 130.175,95.25 132.715,97.79 140.97,97.79 161.29,118.11 185.502,118.11 186.137,118.745 R126.1@186.137,120.285
PMODB2: J4.29 R128.1 | length 147.1
  Component Side w0.127: J4.29@78.171,62.865 78.171,83.251 88.9,93.98 131.445,93.98 133.985,96.52 142.24,96.52 162.56,116.84 186.772,116.84 188.677,118.745 R128.1@188.677,120.285
PMODB3: J4.35 R130.1 | length 146.6
  Component Side w0.127: J4.35@81.981,62.865 81.981,84.521 90.17,92.71 132.715,92.71 135.255,95.25 143.51,95.25 163.83,115.57 188.042,115.57 191.217,118.745 R130.1@191.217,120.285
PMODB4: J4.38 R132.1 | length 158.7
  Component Side w0.127: v1(91.44,91.44) 133.985,91.44 136.525,93.98 144.78,93.98 165.1,114.3 189.312,114.3 193.757,118.745 R132.1@193.757,120.285
  Solder Side w0.127: J4.38@83.251,61.595 84.14,60.706 86.36,60.706 87.249,61.595 87.249,62.611 81.28,68.58 81.28,85.09 87.63,91.44 v1(91.44,91.44)
PMODB7: J4.25 R127.2 | length 147.7
  Component Side w0.127: J4.25@75.631,62.865 75.631,81.981 88.265,94.615 130.81,94.615 133.35,97.155 141.605,97.155 161.925,117.475 186.137,117.475 187.407,118.745 R127.2@187.407,120.285
PMODB8: J4.31 R129.2 | length 147.1
  Component Side w0.127: J4.31@79.441,62.865 79.441,83.251 89.535,93.345 132.08,93.345 134.62,95.885 142.875,95.885 163.195,116.205 187.407,116.205 189.947,118.745 R129.2@189.947,120.285
PMODB9: J4.37 R131.2 | length 146.6
  Component Side w0.127: J4.37@83.251,62.865 83.251,84.521 90.805,92.075 133.35,92.075 135.89,94.615 144.145,94.615 164.465,114.935 188.677,114.935 192.487,118.745 R131.2@192.487,120.285
PMODB10: J4.36 R133.2 | length 160.9
  Component Side w0.127: v1(92.075,90.805) 134.62,90.805 137.16,93.345 145.415,93.345 165.735,113.665 189.947,113.665 195.027,118.745 R133.2@195.027,120.285
  Solder Side w0.127: J4.36@81.981,61.595 83.251,60.325 86.487,60.325 87.63,61.468 87.63,62.738 81.915,68.453 81.915,84.455 88.265,90.805 v1(92.075,90.805)
PMODC1: J4.8 R134.1 | length 76.1
  Component Side w0.127: R134.1@40.18,120.285 40.18,76.66 57.023,59.817 63.627,59.817 64.201,60.391 J4.8@64.201,61.595
PMODC2: J4.5 R136.1 | length 65.8
  Component Side w0.127: R136.1@42.72,120.285 42.72,85.55 62.931,65.339 J4.5@62.931,62.865
PMODC3: J4.11 R138.1 | length 66.3
  Component Side w0.127: R138.1@45.26,120.285 45.26,85.55 66.741,64.069 J4.11@66.741,62.865
PMODC4: J4.17 R140.1 | length 67.6
  Component Side w0.127: R140.1@47.8,120.285 47.8,85.55 68.58,64.77 69.85,64.77 70.551,64.069 J4.17@70.551,62.865
PMODC7: J4.6 R135.2 | length 73.1
  Component Side w0.127: R135.2@41.45,120.285 41.45,76.66 57.912,60.198 62.611,60.198 62.931,60.518 J4.6@62.931,61.595
PMODC8: J4.7 R137.2 | length 65.8
  Component Side w0.127: R137.2@43.99,120.285 43.99,85.55 64.201,65.339 J4.7@64.201,62.865
PMODC9: J4.13 R139.2 | length 66.3
  Component Side w0.127: R139.2@46.53,120.285 46.53,85.55 68.011,64.069 J4.13@68.011,62.865
PMODC10: J4.19 R141.2 | length 67.6
  Component Side w0.127: R141.2@49.07,120.285 49.07,85.55 69.215,65.405 70.485,65.405 71.821,64.069 J4.19@71.821,62.865
PMODD1: J4.32 R142.1 | length 168
  Component Side w0.127: v1(92.71,90.17) 135.255,90.17 137.795,92.71 146.05,92.71 166.37,113.03 197.742,113.03 200.917,116.205 R142.1@200.917,117.745
  Solder Side w0.127: J4.32@79.441,61.595 81.092,59.944 86.741,59.944 88.011,61.214 88.011,62.865 82.55,68.326 82.55,83.82 88.9,90.17 v1(92.71,90.17)
PMODD2: J4.26 R144.1 | length 173.6
  Component Side w0.127: v1(93.98,88.9) 136.525,88.9 139.065,91.44 147.32,91.44 167.64,111.76 199.012,111.76 203.457,116.205 R144.1@203.457,117.745
  Solder Side w0.127: J4.26@75.631,61.595 78.044,59.182 86.995,59.182 88.773,60.96 88.773,63.119 83.82,68.072 83.82,82.55 90.17,88.9 v1(93.98,88.9)
PMODD3: J4.20 R146.1 | length 179.5
  Component Side w0.127: v1(95.25,87.63) 137.795,87.63 140.335,90.17 148.59,90.17 168.91,110.49 200.282,110.49 205.997,116.205 R146.1@205.997,117.745
  Solder Side w0.127: J4.20@71.821,61.595 74.996,58.42 87.63,58.42 89.535,60.325 89.535,63.373 85.09,67.818 85.09,81.28 91.44,87.63 v1(95.25,87.63)
PMODD4: J4.14 R148.1 | length 185.3
  Component Side w0.127: v1(96.52,86.36) 139.065,86.36 141.605,88.9 149.86,88.9 170.18,109.22 201.552,109.22 208.537,116.205 R148.1@208.537,117.745
  Solder Side w0.127: J4.14@68.011,61.595 71.948,57.658 88.138,57.658 90.297,59.817 90.297,63.627 86.36,67.564 86.36,80.01 92.71,86.36 v1(96.52,86.36)
PMODD7: J4.30 R143.2 | length 170.2
  Component Side w0.127: v1(93.345,89.535) 135.89,89.535 138.43,92.075 146.685,92.075 167.005,112.395 198.377,112.395 202.187,116.205 R143.2@202.187,117.745
  Solder Side w0.127: J4.30@78.171,61.595 80.203,59.563 86.868,59.563 88.392,61.087 88.392,62.992 83.185,68.199 83.185,83.185 89.535,89.535 v1(93.345,89.535)
PMODD8: J4.24 R145.2 | length 175.9
  Component Side w0.127: v1(94.615,88.265) 137.16,88.265 139.7,90.805 147.955,90.805 168.275,111.125 199.647,111.125 204.727,116.205 R145.2@204.727,117.745
  Solder Side w0.127: J4.24@74.361,61.595 77.155,58.801 87.249,58.801 89.154,60.706 89.154,63.246 84.455,67.945 84.455,81.915 90.805,88.265 v1(94.615,88.265)
PMODD9: J4.18 R147.2 | length 181.8
  Component Side w0.127: v1(95.885,86.995) 138.43,86.995 140.97,89.535 149.225,89.535 169.545,109.855 200.917,109.855 207.267,116.205 R147.2@207.267,117.745
  Solder Side w0.127: J4.18@70.551,61.595 74.107,58.039 87.884,58.039 89.916,60.071 89.916,63.5 85.725,67.691 85.725,80.645 92.075,86.995 v1(95.885,86.995)
PMODD10: J4.12 R149.2 | length 187.5
  Component Side w0.127: v1(97.155,85.725) 139.7,85.725 142.24,88.265 150.495,88.265 170.815,108.585 202.187,108.585 209.807,116.205 R149.2@209.807,117.745
  Solder Side w0.127: J4.12@66.741,61.595 71.059,57.277 88.265,57.277 90.678,59.69 90.678,63.754 86.995,67.437 86.995,79.375 93.345,85.725 v1(97.155,85.725)
PRSNT_M2C_L: J24.H2 J26.20 R1.2 | length 222.1
  Component Side w0.127: J26.20@73.091,18.415 74.996,20.32 83.185,20.32 83.82,20.955 v1(92.075,20.955) 93.345,19.685 93.345,15.24 90.805,12.7 R1.2@90.17,12.7 ; v1(140.256,125.476) J24.H2@140.891,124.841
  Inner Layer 1 w0.127: v1(140.256,125.476) 140.891,124.841 v1(140.891,110.871)
  Solder Side w0.127: v1(92.075,20.955) 92.075,24.765 88.9,27.94 69.85,27.94 53.34,44.45 53.34,61.595 83.82,92.075 122.095,92.075 v1(140.891,110.871)
S_SBU_N: R66.2 R72.1 U4.11 U8.14 | length 7.1
  Component Side w0.127: U8.14@133.585,14.735 133.585,15.285 133.4,15.47 v1(133.4,16.45) 133.4,17.55 133.585,17.735 133.585,18.934 U4.11@133.6,18.95
  Solder Side w0.127: R72.1@133.4,17.95 v1(133.4,16.45) R66.2@134.6,16.45
S_SBU_P: R65.2 R71.1 U4.10 U8.15 | length 10
  Component Side w0.127: U4.10@133.1,18.95 133.1,17.85 132.3,17.05 v1(132.3,16.45) 132.3,14.95 132.515,14.735 U8.15@133.185,14.735
  Solder Side w0.127: R71.1@132.3,17.95 v1(132.3,16.45) 132.3,15.65 132.5,15.45 R65.2@134.6,15.45
SBU_N: J18.B8 U8.2 | length 20.6
  Component Side w0.127: v1(132.715,8.89) 132.715,10.147 133.512,10.944 133.512,11.498 133.585,11.572 U8.2@133.585,11.935
  Inner Layer 1 w0.127: J18.B8@117.687,7.515 119.233,5.969 123.698,5.969 124.968,7.239 131.403,7.239 131.572,7.239 132.715,8.382 v1(132.715,8.89)
SBU_P: J18.A8 U8.1 | length 17.2
  Component Side w0.127: J18.A8@119.237,9.525 119.237,11.168 v1(119.499,11.43) ; v1(132.08,10.668) 132.877,10.668 133.258,11.049 133.258,11.499 133.185,11.572 U8.1@133.185,11.935
  Inner Layer 1 w0.127: v1(119.499,11.43) 120.261,10.668 v1(132.08,10.668)
SCLK: J5.6 U5.14 | length 131.8
  Component Side w0.127: v1(89.535,39.37) 89.535,40.64 90.805,41.91 157.48,41.91 v1(161.29,45.72) ; U5.14@174.383,46.32 v1(174.383,48.93)
  Solder Side w0.127: J5.6@62.931,53.975 62.931,52.639 63.5,52.07 86.36,52.07 89.535,48.895 v1(89.535,39.37) ; v1(161.29,45.72) 172.212,45.72 174.383,47.891 v1(174.383,48.93)
SDIN: J5.4 U5.15 | length 129.8
  Component Side w0.127: v1(88.9,40.005) 88.9,41.275 90.17,42.545 156.845,42.545 v1(160.655,46.355) ; U5.15@173.883,46.32 v1(173.883,48.295)
  Solder Side w0.127: J5.4@61.661,53.975 61.661,52.639 62.865,51.435 85.725,51.435 88.9,48.26 v1(88.9,40.005) ; v1(160.655,46.355) 171.943,46.355 v1(173.883,48.295)
SNK_EN_N: R181.1 S10.3 U20.4 | length 146.5
  Component Side w0.127: v1(3.175,121.285) 4.153,122.263 S10.3@4.153,124.714 ; v1(13.97,11.43) 27.94,11.43 30.488,8.882 R181.1@30.488,7.747 29.972,7.747 29.718,7.493 29.718,6.477 29.509,6.268 U20.4@28.838,6.268
  Inner Layer 2 w0.127: v1(3.175,121.285) 1.905,120.015 1.905,99.695 0.889,98.679 0.889,16.256 2.54,14.605 10.795,14.605 v1(13.97,11.43)
SNK_V1P8: C185.2 J26.1
SNK_V3P3: C187.2 J27.25 R219.1 R220.1 | length 76.8
  Component Side w0.127: v1(4.445,43.815) R220.1@5.985,43.815 ; R219.1@9.255,41.91 v1(10.795,41.91)
  Component Side w0.254: C187.2@6.85,15.24 6.85,15.994 7.051,16.195 J27.25@7.051,17.145
  Solder Side w0.127: v1(4.445,43.815) 8.89,43.815 v1(10.795,41.91) 21.59,41.91 31.115,32.385 31.115,19.05 26.67,14.605 9.591,14.605 J27.25@7.051,17.145
SNK_VIN: C144.2 C186.2 C188.2 J27.29 J27.30 U20.8 | length 28.4
  Component Side w0.762: J27.30@4.511,18.415 J27.29@4.511,17.145 4.511,11.491 6.477,9.525 8.89,9.525 14.478,3.937 20.193,3.937 20.574,4.318 C144.2@22.733,4.318
SPI_CLK: J17.3 U3.6 U4.37 | length 62.2
  Component Side w0.127: U4.37@131.1,26.75 v1(131.1,28.95) ; U3.6@144.145,4.075 144.145,6.985 142.875,8.255 142.24,8.255 141.605,8.89 141.605,11.938 143.002,13.335 v1(145.415,13.335)
  Inner Layer 1 w0.127: v1(131.1,28.95) 131.6,28.45 136.65,28.45 137.6,27.5 137.6,25.95 140.335,23.215 140.335,20.828 141.605,19.558 141.605,15.875 142.24,15.24 143.51,15.24 v1(145.415,13.335) 147.955,10.795 152.019,10.795 154.559,8.255 158.115,8.255 J17.3@162.56,3.81
SPI_CS_N: J17.6 R44.2 U3.1 U4.39 | length 63.2
  Component Side w0.127: U4.39@130.1,26.75 v1(130.1,27.95) ; U3.1@146.685,9.525 R44.2@149.36,9.525 149.36,11.93 v1@149.225,12.065
  Inner Layer 1 w0.127: v1(130.1,27.95) 130.1,29.05 130.5,29.45 138.1,29.45 138.6,28.95 138.6,26.95 139.1,26.45 141.19,26.45 142.875,24.765 142.875,20.32 144.784,18.411 144.784,16.641 v1(149.36,12.065) ; v1(149.36,12.065) 153.67,12.065 155.575,10.16 163.83,10.16 J17.6@170.18,3.81
SPI_MISO: J17.4 R43.2 U3.2 U4.35 | length 61.5
  Component Side w0.127: U4.35@132.1,26.75 v1(132.1,28.95) ; U3.2@145.415,9.525 145.415,8.509 145.669,8.255 147.955,8.255 R43.2@153.035,8.255 154.305,8.255 v1(154.94,8.89)
  Inner Layer 1 w0.127: v1(132.1,28.95) 137.42,28.95 138.1,28.27 138.1,26.45 139.15,25.4 141.224,25.4 142.24,24.384 142.24,19.05 144.145,17.145 144.145,15.875 148.59,11.43 152.4,11.43 v1(154.94,8.89) 160.02,8.89 J17.4@165.1,3.81
SPI_MOSI: J17.5 U3.5 U4.36 | length 65.8
  Component Side w0.127: U4.36@131.6,26.75 v1(131.6,27.95) ; v1(139.681,12.065) 139.681,8.804 142.875,5.61 U3.5@142.875,4.075
  Inner Layer 1 w0.127: v1(131.6,27.95) 133.721,27.95 136.221,25.45 137.1,25.45 139.7,22.85 139.7,16.643 139.681,16.624 v1(139.681,12.065) 145.415,12.065 147.32,10.16 151.765,10.16 154.305,7.62 157.48,7.62 158.75,6.35 158.75,3.175 159.385,2.54 166.37,2.54 J17.5@167.64,3.81
SPK_FAULT_N: R105.1 U5.5 | length 5
  Component Side w0.127: U5.5@178.883,46.32 178.883,45.462 179.09,45.255 R105.1@182.908,45.255
SPKR_SHTDWN_N: J26.6 R100.2 U5.6 | length 154.1
  Component Side w0.127: v1(156.21,10.795) 161.671,10.795 162.56,11.684 162.56,50.165 163.195,50.8 169.545,50.8 172.085,53.34 174.371,53.34 174.518,53.487 R100.2@174.518,54.01 v1(176.558,54.01) 178.383,52.185 U5.6@178.383,46.32
  Inner Layer 2 w0.127: J26.6@81.981,18.415 83.251,19.685 86.233,19.685 91.948,13.97 94.615,13.97 96.52,12.065 127.485,12.065 128.1,11.45 138.1,11.45 141.7,15.05 141.7,17.05 142.1,17.45 148.285,17.45 154.94,10.795 v1(156.21,10.795)
SS_AM: Q8.1 R70.1 U2.8 U4.41 | length 29.7
  Component Side w0.127: v1(119.487,24.13) U2.8@119.487,25.401 ; U4.41@129.1,26.75 v1(129.1,27.75)
  Inner Layer 1 w0.127: v1(119.487,24.13) 122.52,24.13 123.7,22.95 126.6,22.95 127.6,23.95 127.6,26.25 v1(129.1,27.75)
  Solder Side w0.127: Q8.1@127.65,14.35 127.65,15.1 128.1,15.55 R70.1@128.1,16.45 128.1,26.75 v1(129.1,27.75)
SS_EN: Q7.1 R62.1 U2.17 U4.19 | length 39
  Component Side w0.127: U2.17@119.487,28.701 v1(119.487,29.972) ; U4.19@135.75,21.6 v1(137.1,21.6)
  Solder Side w0.127: v1(119.487,29.972) 129.078,29.972 130.81,28.24 130.81,27.24 131.6,26.45 134.1,26.45 135.1,25.45 135.1,23.6 v1(137.1,21.6) 137.6,21.1 137.6,14.45 138.565,13.485 R62.1@138.565,10.287 138.115,9.837 Q7.1@138.115,8.75
SS_POL: Q9.1 R73.1 U2.3 U4.2 | length 27.8
  Component Side w0.127: v1(116.987,24.15) U2.3@116.987,25.401 ; v1(126.6,17.65) 127.3,18.35 129,18.35 129.1,18.45 U4.2@129.1,18.95
  Inner Layer 1 w0.127: v1(116.987,24.15) 117.729,23.408 117.729,22.321 120.1,19.95 121.6,19.95 122.1,20.45 123.1,20.45 124.169,21.519 126.031,21.519 126.6,20.95 v1(126.6,17.65)
  Solder Side w0.127: R73.1@121.6,13.55 Q9.1@123.1,13.55 124.6,15.05 124.6,15.65 v1(126.6,17.65)
SWD_CLK: R60.2 U4.50 | length 7.1
  Component Side w0.127: R60.2@122.6,20.45 122.6,21.95 123.25,22.6 U4.50@127.95,22.6
SWD_DATA: R59.2 U4.49 | length 8
  Component Side w0.127: R59.2@122.1,25.95 122.1,24.35 123.35,23.1 U4.49@127.95,23.1
SYNTH_CLK0: J25.8 R177.2 | length 15.1
  Component Side w0.127: v1(93.363,29.736) R177.2@94.25,29.736
  Inner Layer 1 w0.127: J25.8@80.711,26.035 82.616,27.94 88.9,27.94 89.281,28.321 91.948,28.321 v1(93.363,29.736)
SYNTH_CLK1: J25.36 R178.2 | length 44.2
  Component Side w0.127: J25.36@62.931,26.035 62.931,35.626 63.538,36.233 81.877,36.233 82.55,35.56 91.44,35.56 94.25,32.75 R178.2@94.25,31.115
SYNTH_CLK2: J25.6 R179.2 | length 13.2
  Component Side w0.127: v1(92.964,27.94) R179.2@93.869,27.94
  Inner Layer 1 w0.127: J25.6@81.981,26.035 83.251,27.305 86.36,27.305 86.995,26.67 91.694,26.67 v1(92.964,27.94)
SYSPRES: U1.15
TCK: J24.D29
TDI: J24.D30
TDO: J24.D31
TFT_AVDD: C117.2 C118.2 C119.2 D5.1 J16.29 R150.1 R161.1 U17.9 | length 5.3
  Component Side w0.254: v1(99.06,67.945) R161.1@99.06,68.85
  Component Side w0.381: 94.585,70.948 94.585,72.405 ; 95.235,70.948 95.235,72.405 ; 97.185,70.948 U17.9@97.185,72.405
  other v1: 100.203,67.945 96.52,68.58 100.203,68.834 95.885,69.215 97.155,69.215 95.885,70.485 97.155,70.485
TFT_LED_N: J16.31 J16.32 R168.1 U18.3 | length 6
  Component Side w0.254: 119,60.487 J16.31@119,61.99 119,63.499 ; 119.5,60.481 J16.32@119.5,61.99 119.5,63.493
TFT_LED_P: C132.2 D8.2 J16.39 J16.40 | length 3
  Component Side w0.254: 123,60.487 J16.39@123,61.99 ; 123.5,60.481 J16.40@123.5,61.99
TFT_LR: J16.33 R162.1 R173.2 | length 4.3
  Component Side w0.127: J16.33@120,61.99 v1(120,64.135)
  Solder Side w0.127: R173.2@119.126,65.405 R162.1@119.126,64.135 v1(120,64.135)
TFT_RESET: J5.7 J16.5 Q11.1 R151.1 | length 199.2
  Component Side w0.127: v1(85.725,48.895) v1(93.345,48.895) ; v1(95.25,57.15) v1(106,57.15) J16.5@106,61.99 106,66.04 105.635,66.405 104.835,66.405 ; v1(126.365,62.23) 173.99,62.23 192.405,80.645 196.215,80.645 197.485,81.915 197.485,88.138 193.688,91.935 Q11.1@190.815,91.935
  Component Side w0.254: v1(103.035,66.405) R151.1@103.835,66.405
  Inner Layer 1 w0.127: v1(106,57.15) 114.3,57.15 119.38,62.23 v1(126.365,62.23)
  Solder Side w0.127: J5.7@64.201,55.245 64.201,56.449 63.5,57.15 60.325,57.15 59.69,57.785 57.785,57.785 56.515,56.515 56.515,52.705 59.055,50.165 84.455,50.165 v1(85.725,48.895) ; v1(93.345,48.895) 95.25,50.8 v1(95.25,57.15)
TFT_STBY_N: J16.6 R154.2 | length 6.8
  Component Side w0.127: R154.2@104.875,67.705 105.635,67.705 106.5,66.84 J16.6@106.5,61.99
TFT_UD: J16.34 R163.2 R172.2 | length 7
  Component Side w0.127: v1(120.015,66.675) 120.015,65.405 120.5,64.92 J16.34@120.5,61.99
  Solder Side w0.127: R172.2@119.126,67.945 R163.2@119.126,66.675 v1(120.015,66.675)
TFT_VCOM: C133.2 J16.1 U17.10 | length 14.8
  Component Side w0.254: U17.10@97.835,72.405 97.835,67.9 98.806,66.929 101.092,66.929 101.6,66.421 C133.2@101.6,65.405 101.6,64.135 102.235,63.5 102.997,63.5 104,62.497 J16.1@104,61.99
TFT_VGH: C124.1 J16.38 R155.1 U17.13 | length 34.1
  Component Side w0.254: J16.38@122.5,61.99 v1(122.5,63.047)
  Component Side w0.381: U17.13@99.135,78.105 C124.1@100.435,78.105 101.085,78.105 102.1,77.09 102.1,74.422 102.108,74.422 102.235,74.295 R155.1@102.235,73.39 v1(104.124,73.39)
  Inner Layer 1 w0.254: v1(104.124,73.39) 108.934,68.58 119.253,68.58 121.92,65.913 121.92,64.643 122.5,64.063 v1(122.5,63.047)
TFT_VGL: C207.1 D6.2 J16.35 R160.1 | length 48
  Component Side w0.254: 104.14,77.195 115.845,77.195 121,72.04 C207.1@121,64.77 J16.35@121,61.99
  Component Side w0.381: R160.1@93.785,83.955 94.52,83.955 95.3,84.735 104.725,84.735 105.635,83.825 105.635,79.665 104.917,78.947 D6.2@103.685,78.947
TMS: J24.D33